# KiCad board afterglow_nano_smd.kicad_pcb
title: afterglow WHITESTAR 2.0; company: morbid cornflakes
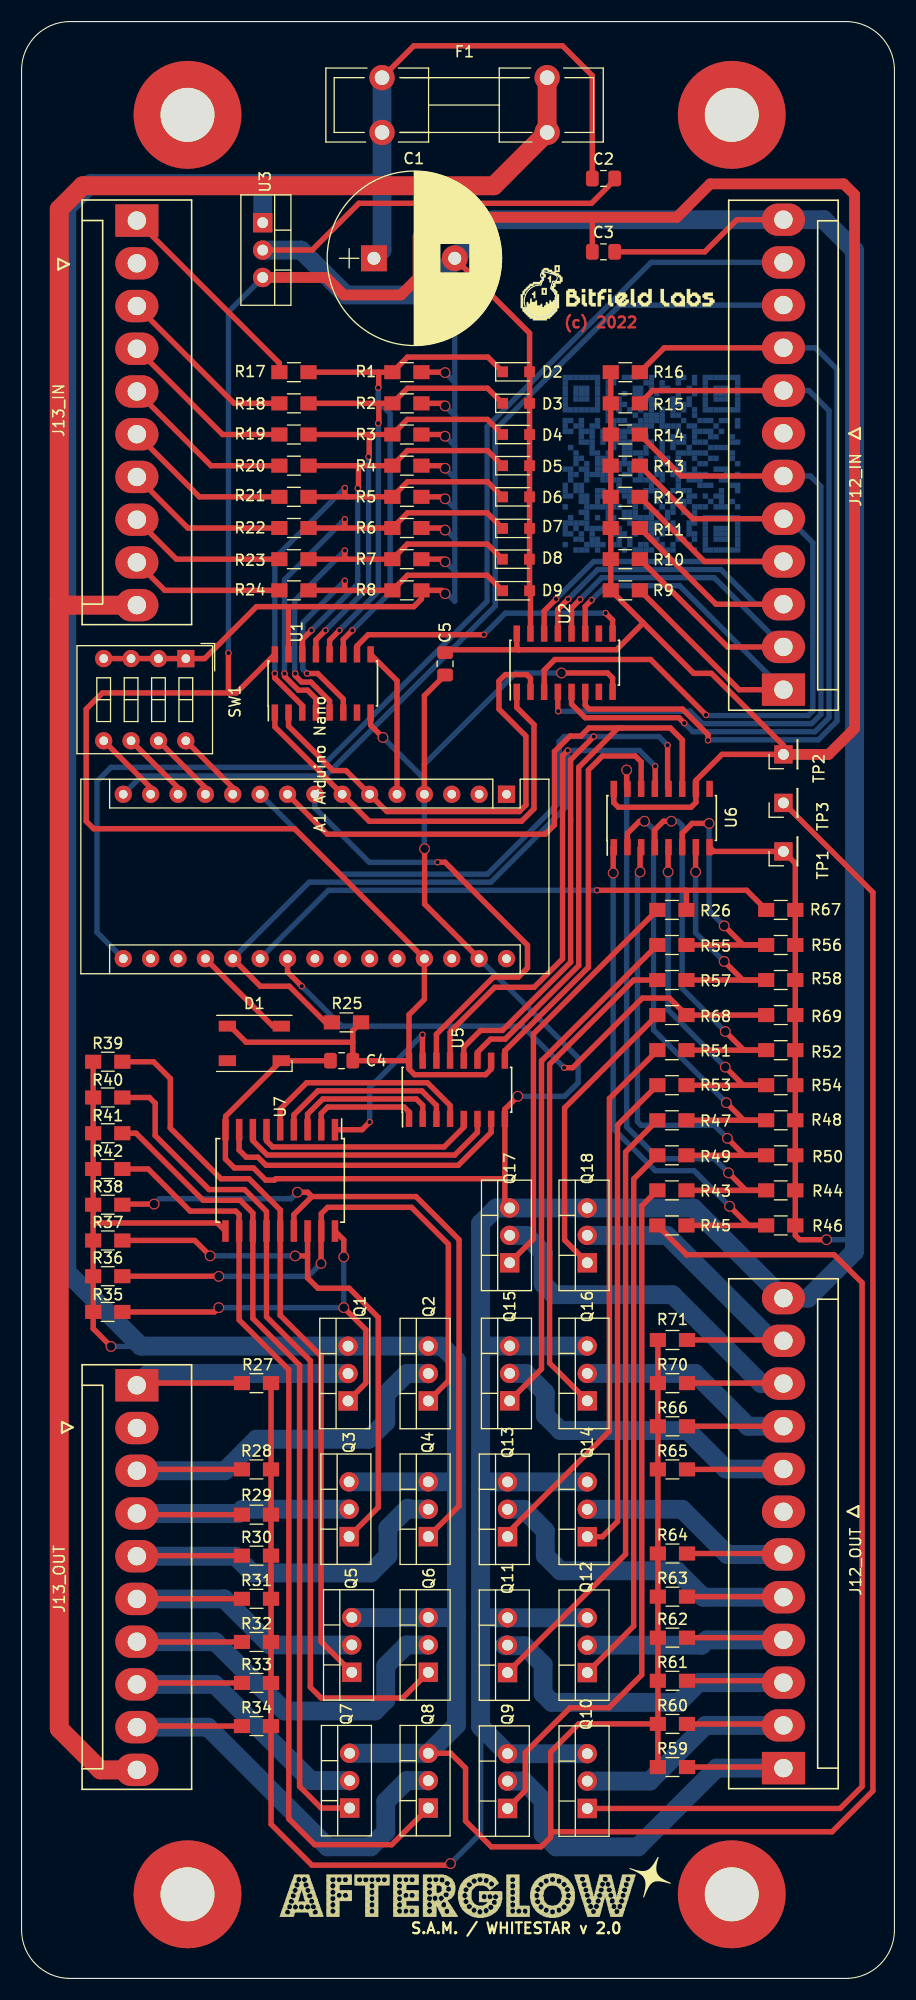
[diagram p0: board, top side]
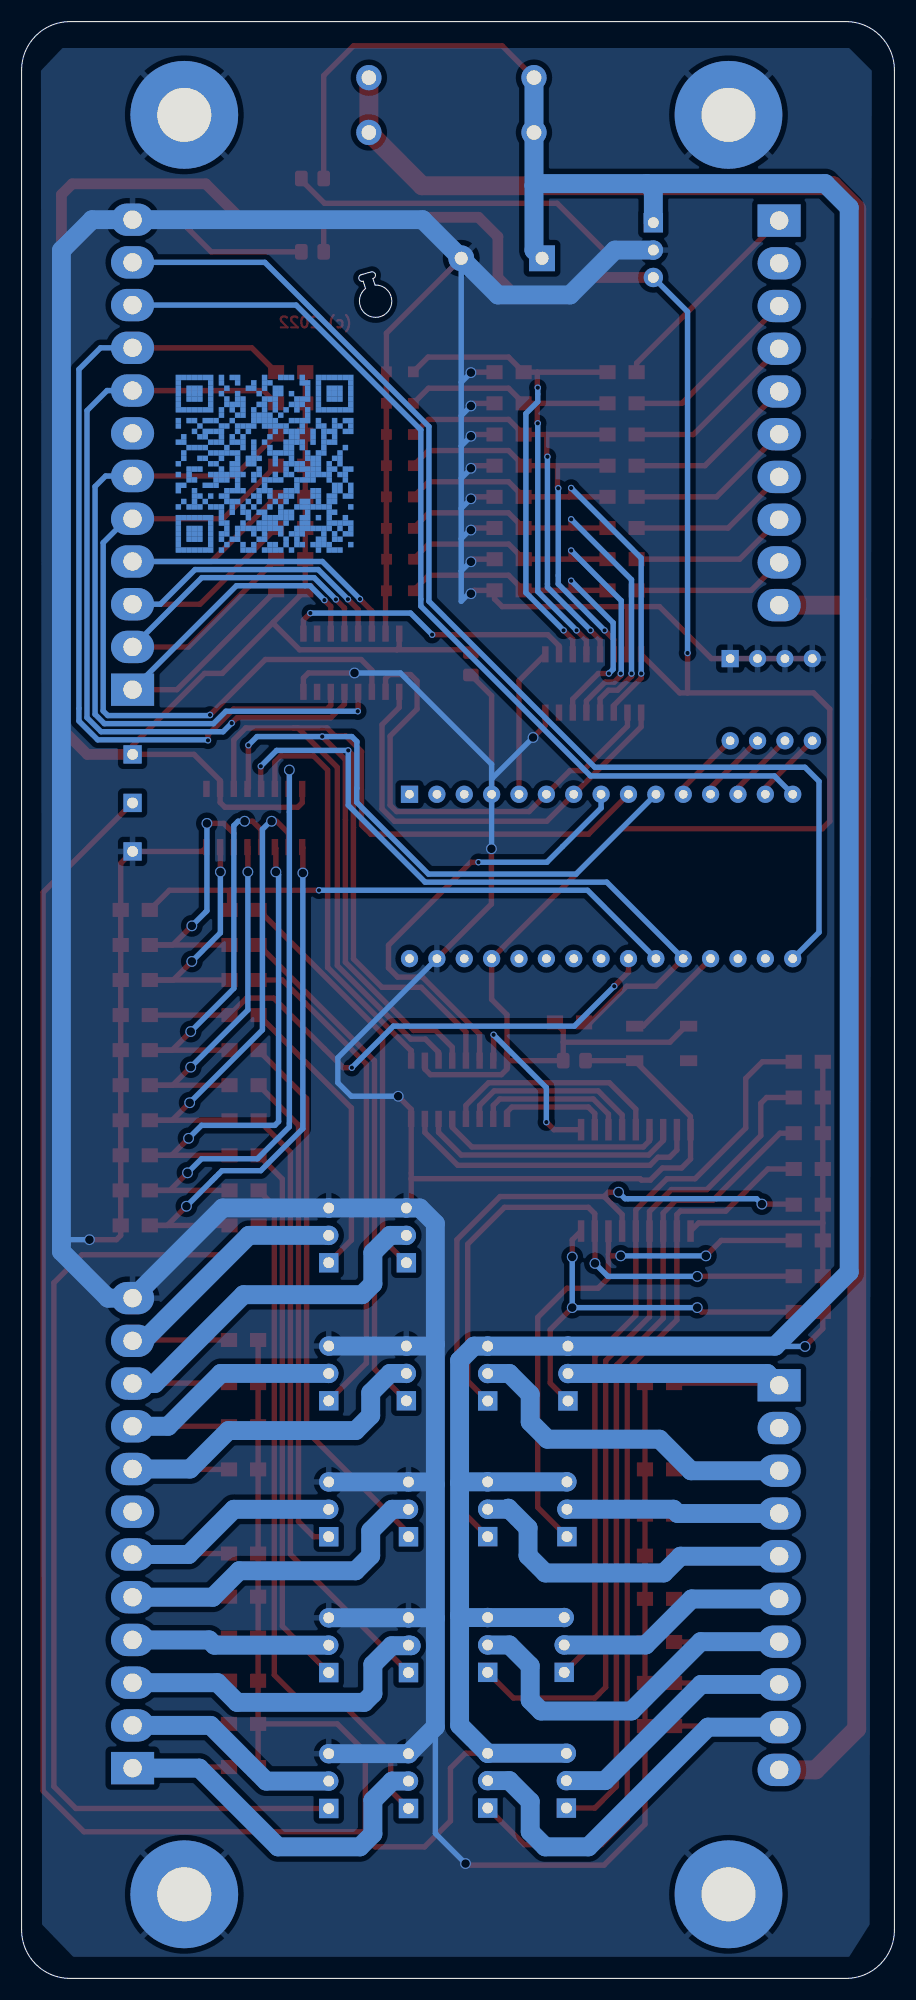
[diagram p1: board, bottom side, seen from below]

Outline 81 x 181.45 mm; copper layers: Top, Bottom. Coordinates in mm from the lower left corner of the outline.
Outline path: 0,176.95 arc(1.32,180.13) 4.5,181.45 76.5,181.45 arc(79.68,180.13) 81,176.95 81,4.5 arc(79.68,1.32) 76.5,0 4.5,0 arc(1.32,1.32) 0,4.5 0,176.95 ; 48.2,157.02 48.4,157.62 arc(48.17,158.02) 48.57,158.23 49.47,157.98 arc(49.7,157.58) 49.3,157.37 49.08,156.7 arc(47.63,154.11) 48.2,157.02

## Placement (name value [footprint] x y rotation side)
A1 Arduino Nano  Arduino_Nano_v3.x  [Arduino_Nano]  45 109.8 270 top
afterglow  -  [afterglow]  23.95 9.73 0 top
C1  1000uF  [CP_Radial_D16.0mm_P7.50mm]  32.7 159.5 0 top
C2  0.33  [C_0805_2012Metric_Pad1.18x1.45mm_HandSolder]  54 166.9 0 top
C3  0.1  [C_0805_2012Metric_Pad1.18x1.45mm_HandSolder]  54 160.1 0 top
C4  0.33  [C_0805_2012Metric_Pad1.18x1.45mm_HandSolder]  29.7 85.1 0 top
C5  0.33  [C_0805_2012Metric_Pad1.18x1.45mm_HandSolder]  39.3 121.9 90 top
D1  WS2812B  [LED_WS2812B-PLCC4]  21.6 86.7 0 top
D2  4.7V  [D_SOD-323_HandSoldering]  45.89 148.97 0 top
D3  4.7V  [D_SOD-323_HandSoldering]  45.89 146.05 0 top
D4  4.7V  [D_SOD-323_HandSoldering]  45.89 143.16 0 top
D5  4.7V  [D_SOD-323_HandSoldering]  45.89 140.27 0 top
D6  4.7V  [D_SOD-323_HandSoldering]  45.89 137.38 0 top
D7  4.7V  [D_SOD-323_HandSoldering]  45.89 134.45 0 top
D8  4.7V  [D_SOD-323_HandSoldering]  45.88 131.6 0 top
D9  4.7V  [D_SOD-323_HandSoldering]  45.89 128.68 0 top
F1  5A SB  [Fuseholder5x20_horiz_open_lateral_Type-II]  33.45 176.25 0 top
G***  LOGO  [bl_logo]  55.3 156.3 0 top
HOLE1  -  [MountingHole_5mm_Pad]  15.4 172.8 0 top
HOLE2  -  [MountingHole_5mm_Pad]  65.9 172.8 0 top
HOLE3  -  [MountingHole_5mm_Pad]  65.9 7.8 0 top
HOLE4  -  [MountingHole_5mm_Pad]  15.4 7.8 0 top
J12_IN  J12_IN_R  [Molex_KK-41791-12_10x3.96mm_Straight]  70.7 119.5 90 top
J12_OUT  J12_OUT_R  [Molex_KK-41791-12_10x3.96mm_Straight]  70.7 19.5 90 top
J13_IN  J13_IN_C  [Molex_KK-41791-10_10x3.96mm_Straight]  10.7 163 270 top
J13_OUT  J13_OUT_C  [Molex_KK-41791-10_10x3.96mm_Straight]  10.7 55 270 top
Q1  FQP11P06  [TO-220_Vertical]  30.3 53.55 90 top
Q2  FQP11P06  [TO-220_Vertical]  37.75 53.55 90 top
Q3  FQP11P06  [TO-220_Vertical]  30.39 40.97 90 top
Q4  FQP11P06  [TO-220_Vertical]  37.75 40.97 90 top
Q5  FQP11P06  [TO-220_Vertical]  30.64 28.38 90 top
Q6  FQP11P06  [TO-220_Vertical]  37.75 28.38 90 top
Q7  FQP11P06  [TO-220_Vertical]  30.45 15.8 90 top
Q8  FQP11P06  [TO-220_Vertical]  37.75 15.8 90 top
Q9  FQP13N06L  [TO-220_Vertical]  45.09 15.76 90 top
Q10  FQP13N06L  [TO-220_Vertical]  52.5 15.76 90 top
Q11  FQP13N06L  [TO-220_Vertical]  45.09 28.36 90 top
Q12  FQP13N06L  [TO-220_Vertical]  52.5 28.36 90 top
Q13  FQP13N06L  [TO-220_Vertical]  45.09 40.96 90 top
Q14  FQP13N06L  [TO-220_Vertical]  52.5 40.96 90 top
Q15  FQP13N06L  [TO-220_Vertical]  45.3 53.56 90 top
Q16  FQP13N06L  [TO-220_Vertical]  52.5 53.56 90 top
Q17  FQP13N06L  [TO-220_Vertical]  45.3 66.36 90 top
Q18  FQP13N06L  [TO-220_Vertical]  52.5 66.36 90 top
QR*****  -  [ag_qr]  58.45 140.45 180 bottom
R1  1k  [R_0805_HandSoldering]  35.76 148.94 0 top
R2  1k  [R_0805_HandSoldering]  35.76 146.05 0 top
R3  1k  [R_0805_HandSoldering]  35.76 143.16 0 top
R4  1k  [R_0805_HandSoldering]  35.76 140.27 0 top
R5  1k  [R_0805_HandSoldering]  35.76 137.38 0 top
R6  1k  [R_0805_HandSoldering]  35.76 134.49 0 top
R7  1k  [R_0805_HandSoldering]  35.75 131.6 0 top
R8  1k  [R_0805_HandSoldering]  35.76 128.71 0 top
R9  1k  [R_0805_HandSoldering]  56.03 128.71 180 top
R10  1k  [R_0805_HandSoldering]  56.03 131.6 180 top
R11  1k  [R_0805_HandSoldering]  56.03 134.49 180 top
R12  1k  [R_0805_HandSoldering]  56.03 137.38 180 top
R13  1k  [R_0805_HandSoldering]  56.03 140.27 180 top
R14  1k  [R_0805_HandSoldering]  56.03 143.16 180 top
R15  1k  [R_0805_HandSoldering]  56.03 146.05 180 top
R16  1k  [R_0805_HandSoldering]  56.03 148.94 180 top
R17  1k  [R_0805_HandSoldering]  25.28 148.94 180 top
R18  1k  [R_0805_HandSoldering]  25.28 146.05 180 top
R19  1k  [R_0805_HandSoldering]  25.28 143.16 180 top
R20  1k  [R_0805_HandSoldering]  25.28 140.27 180 top
R21  1k  [R_0805_HandSoldering]  25.28 137.38 180 top
R22  1k  [R_0805_HandSoldering]  25.28 134.49 180 top
R23  1k  [R_0805_HandSoldering]  25.28 131.6 180 top
R24  1k  [R_0805_HandSoldering]  25.28 128.71 180 top
R25  10k  [R_0805_HandSoldering]  30.15 88.65 180 top
R26  220  [R_0805_HandSoldering]  60.35 99.08 0 top
R27  10k  [R_0805_HandSoldering]  21.8 55.2 180 top
R28  10k  [R_0805_HandSoldering]  21.8 47.2 180 top
R29  10k  [R_0805_HandSoldering]  21.8 43 180 top
R30  10k  [R_0805_HandSoldering]  21.8 39.2 180 top
R31  10k  [R_0805_HandSoldering]  21.8 35.2 180 top
R32  10k  [R_0805_HandSoldering]  21.8 31.2 180 top
R33  10k  [R_0805_HandSoldering]  21.8 27.4 180 top
R34  10k  [R_0805_HandSoldering]  21.8 23.4 180 top
R35  2k  [R_0805_HandSoldering]  8 61.8 0 top
R36  2k  [R_0805_HandSoldering]  8 65.11 0 top
R37  2k  [R_0805_HandSoldering]  8 68.43 0 top
R38  2k  [R_0805_HandSoldering]  8 71.74 0 top
R39  2k  [R_0805_HandSoldering]  8 85 0 top
R40  2k  [R_0805_HandSoldering]  8 81.69 0 top
R41  2k  [R_0805_HandSoldering]  8 78.37 0 top
R42  2k  [R_0805_HandSoldering]  8 75.06 0 top
R43  220  [R_0805_HandSoldering]  60.35 73.07 0 top
R44  10k  [R_0805_HandSoldering]  70.45 73.07 180 top
R45  220  [R_0805_HandSoldering]  60.35 69.82 0 top
R46  10k  [R_0805_HandSoldering]  70.45 69.82 180 top
R47  220  [R_0805_HandSoldering]  60.35 79.57 0 top
R48  10k  [R_0805_HandSoldering]  70.45 79.57 180 top
R49  220  [R_0805_HandSoldering]  60.35 76.32 0 top
R50  10k  [R_0805_HandSoldering]  70.45 76.32 180 top
R51  220  [R_0805_HandSoldering]  60.35 86.08 0 top
R52  10k  [R_0805_HandSoldering]  70.45 86.08 180 top
R53  220  [R_0805_HandSoldering]  60.35 82.82 0 top
R54  10k  [R_0805_HandSoldering]  70.45 82.82 180 top
R55  220  [R_0805_HandSoldering]  60.35 95.83 0 top
R56  10k  [R_0805_HandSoldering]  70.45 95.83 180 top
R57  220  [R_0805_HandSoldering]  60.35 92.58 0 top
R58  10k  [R_0805_HandSoldering]  70.45 92.58 180 top
R59  10k  [R_0805_HandSoldering]  60.4 19.6 180 top
R60  10k  [R_0805_HandSoldering]  60.4 23.6 180 top
R61  10k  [R_0805_HandSoldering]  60.4 27.6 180 top
R62  10k  [R_0805_HandSoldering]  60.4 31.6 180 top
R63  10k  [R_0805_HandSoldering]  60.4 35.4 180 top
R64  10k  [R_0805_HandSoldering]  60.4 39.4 180 top
R65  10k  [R_0805_HandSoldering]  60.4 47.2 180 top
R66  10k  [R_0805_HandSoldering]  60.4 51.2 180 top
R67  10k  [R_0805_HandSoldering]  70.45 99.08 180 top
R68  220  [R_0805_HandSoldering]  60.35 89.33 0 top
R69  10k  [R_0805_HandSoldering]  70.45 89.33 180 top
R70  10k  [R_0805_HandSoldering]  60.4 55.2 180 top
R71  10k  [R_0805_HandSoldering]  60.4 59.2 180 top
STERN  LOGO  [stern]  58.3 9.45 330 top
SW1  CFG  [SW_DIP_x4_W7.62mm_Slide]  15.24 122.38 270 top
TP1  TestPoint  [Pin_Header_Straight_1x01_Pitch2.54mm]  70.7 104.5 90 top
TP2  TestPoint  [Pin_Header_Straight_1x01_Pitch2.54mm]  70.7 113.5 90 top
TP3  TestPoint  [Pin_Header_Straight_1x01_Pitch2.54mm]  70.7 109 90 top
U1  74LS165  [SOIC-16_3.9x9.9mm_Pitch1.27mm]  27.95 120.08 90 top
U2  74LS165  [SOIC-16_3.9x9.9mm_Pitch1.27mm]  50.4 122 90 top
U3  5V_Regulator  [TO-220_Vertical]  22.38 162.8 270 top
U5  74HC595  [SOIC-16_3.9x9.9mm_Pitch1.27mm]  40.4 82.4 90 top
U6  74HC595  [SOIC-16_3.9x9.9mm_Pitch1.27mm]  59.4 107.6 90 top
U7  ULN2803A  [SOIC-18W_7.5x11.6mm_Pitch1.27mm]  24 74 270 top

## Footprints (pads in the part's own frame, mm; a bottom-side part is the same pattern mirrored in y, then rotated)
ag_qr
  rect 0.5x0.5 smd: (-8,-8) (-8,-7.5) (-8,-7) (-8,-6.5) (-8,-6) (-8,-5.5) (-8,-5) (-8,-4) (-8,-2.5) (-8,-2) (-8,-1) (-8,0) (-8,2) (-8,3.5) (-8,4) (-8,5) (-8,5.5) (-8,6) (-8,6.5) (-8,7) (-8,7.5) (-8,8) (-7.5,-8) (-7.5,-5) (-7.5,-3.5) (-7.5,-2) (-7.5,0.5) (-7.5,1) (-7.5,2) (-7.5,2.5) (-7.5,5) (-7.5,8) (-7,-8) (-7,-7) (-7,-6.5) (-7,-6) (-7,-5) (-7,-4) (-7,-1.5) (-7,-1) (-7,-0.5) (-7,1.5) (-7,4) (-7,5) (-7,6) (-7,6.5) (-7,7) (-7,8) (-6.5,-8) (-6.5,-7) (-6.5,-6.5) (-6.5,-6) (-6.5,-5) (-6.5,-4) (-6.5,-3.5) (-6.5,-3) (-6.5,-2.5) (-6.5,-1.5) (-6.5,-0.5) (-6.5,1.5) (-6.5,3) (-6.5,4) (-6.5,5) (-6.5,6) (-6.5,6.5) (-6.5,7) (-6.5,8) (-6,-8) (-6,-7) (-6,-6.5) (-6,-6) (-6,-5) (-6,-4) (-6,-3) (-6,-0.5) (-6,0.5) (-6,1.5) (-6,2.5) (-6,3.5) (-6,5) (-6,6) (-6,6.5) (-6,7) (-6,8) (-5.5,-8) (-5.5,-5) (-5.5,-3.5) (-5.5,-2) (-5.5,0.5) (-5.5,1.5) (-5.5,2.5) (-5.5,3) (-5.5,4) (-5.5,5) (-5.5,8) (-5,-8) (-5,-7.5) (-5,-7) (-5,-6.5) (-5,-6) (-5,-5.5) (-5,-5) (-5,-4) (-5,-3) (-5,-2) (-5,-1) (-5,0) (-5,1) (-5,2) (-5,3) (-5,4) (-5,5) (-5,5.5) (-5,6) (-5,6.5) (-5,7) (-5,7.5) (-5,8) (-4.5,-4) (-4.5,-2) (-4.5,-1.5) (-4.5,-1) (-4.5,0) (-4.5,1) (-4.5,2) (-4.5,3) (-4.5,4) (-4,-8) (-4,-7) (-4,-6.5) (-4,-5.5) (-4,-5) (-4,-4.5) (-4,-4) (-4,-3) (-4,-1.5) (-4,-1) (-4,-0.5) (-4,0.5) (-4,1) (-4,2) (-4,2.5) (-4,3) (-4,3.5) (-4,4.5) (-4,5) (-4,6.5) (-4,7.5) (-4,8) (-3.5,-7.5) (-3.5,-6.5) (-3.5,-6) (-3.5,-5.5) (-3.5,-3.5) (-3.5,-3) (-3.5,-2.5) (-3.5,-1.5) (-3.5,-1) (-3.5,1) (-3.5,1.5) (-3.5,3.5) (-3.5,5.5) (-3.5,6) (-3.5,7) (-3,-7) (-3,-4.5) (-3,-4) (-3,-3.5) (-3,-2.5) (-3,-1) (-3,-0.5) (-3,0) (-3,1) (-3,2) (-3,2.5) (-3,4) (-3,5) (-3,5.5) (-3,8) (-2.5,-7) (-2.5,-6.5) (-2.5,-6) (-2.5,-3.5) (-2.5,-2.5) (-2.5,-2) (-2.5,-1.5) (-2.5,-1) (-2.5,-0.5) (-2.5,0) (-2.5,0.5) (-2.5,1) (-2.5,2) (-2.5,3) (-2.5,3.5) (-2.5,4.5) (-2.5,5.5) (-2.5,6) (-2.5,6.5) (-2.5,7.5) (-2.5,8) (-2,-8) (-2,-7.5) (-2,-6) (-2,-5.5) (-2,-4.5) (-2,-4) (-2,-2.5) (-2,-1) (-2,1.5) (-2,2) (-2,2.5) (-2,3.5) (-2,4.5) (-2,5) (-2,5.5) (-2,6) (-1.5,-8) (-1.5,-6) (-1.5,-5) (-1.5,-4.5) (-1.5,-3.5) (-1.5,0) (-1.5,0.5) (-1.5,3) (-1.5,3.5) (-1.5,7) (-1,-8) (-1,-7.5) (-1,-6.5) (-1,-6) (-1,-4) (-1,-3) (-1,-1.5) (-1,-1) (-1,0) (-1,0.5) (-1,1) (-1,1.5) (-1,2) (-1,3.5) (-1,4) (-1,4.5) (-1,5) (-1,7) (-1,7.5) (-0.5,-7) (-0.5,-6) (-0.5,-5.5) (-0.5,-4.5) (-0.5,-3.5) (-0.5,-3) (-0.5,-2.5) (-0.5,-1) (-0.5,-0.5) (-0.5,0.5) (-0.5,4) (-0.5,4.5) (-0.5,5.5) (-0.5,6.5) (0,-8) (0,-7) (0,-6.5) (0,-6) (0,-5.5) (0,-5) (0,-4.5) (0,-2.5) (0,-2) (0,-1.5) (0,2) (0,3.5) (0,4) (0,4.5) (0,5) (0,5.5) (0,6) (0,7) (0,7.5) (0,8) (0.5,-8) (0.5,-7.5) (0.5,-6) (0.5,-5.5) (0.5,-5) (0.5,-4) (0.5,-3) (0.5,-2.5) (0.5,-1.5) (0.5,1) (0.5,1.5) (0.5,2.5) (0.5,3.5) (0.5,4) (0.5,4.5) (0.5,6) (0.5,7.5) (1,-8) (1,-7.5) (1,-6) (1,-5.5) (1,-5) (1,-3.5) (1,-1.5) (1,-1) (1,0) (1,0.5) (1,1) (1,3) (1,3.5) (1,4) (1,5) (1,5.5) (1,6) (1,6.5) (1,7) (1.5,-8) (1.5,-6.5) (1.5,-6) (1.5,-5) (1.5,-4.5) (1.5,-4) (1.5,-3) (1.5,-1.5) (1.5,1) (1.5,3.5) (1.5,4.5) (1.5,6.5) (1.5,7) (1.5,8) (2,-7.5) (2,-7) (2,-5.5) (2,-5) (2,-4.5) (2,-3.5) (2,-3) (2,-2.5) (2,-1) (2,-0.5) (2,0) (2,1) (2,1.5) (2,2) (2,3) (2,3.5) (2,5) (2,8) (2.5,-8) (2.5,-6.5) (2.5,-5) (2.5,-4.5) (2.5,-3) (2.5,-2.5) (2.5,-1) (2.5,0) (2.5,0.5) (2.5,1) (2.5,1.5) (2.5,2) (2.5,2.5) (2.5,3) (2.5,4) (2.5,5.5) (2.5,6.5) (2.5,8) (3,-7.5) (3,-7) (3,-6.5) (3,-6) (3,-4) (3,-2.5) (3,-2) (3,-1.5) (3,-0.5) (3,0) (3,2) (3,2.5) (3,3) (3,4) (3,5) (3,5.5) (3,6) (3.5,-7.5) (3.5,-6.5) (3.5,-6) (3.5,-5.5) (3.5,-5) (3.5,-4) (3.5,-3.5) (3.5,-1.5) (3.5,-0.5) (3.5,0) (3.5,1.5) (3.5,2) (3.5,3) (3.5,3.5) (3.5,4) (3.5,5.5) (3.5,6) (3.5,7.5) (3.5,8) (4,-6) (4,-5.5) (4,-5) (4,-4.5) (4,-4) (4,-3.5) (4,-1.5) (4,-1) (4,-0.5) (4,0.5) (4,1) (4,4) (4,4.5) (4,5) (4,6) (4,6.5) (4,7) (4,7.5) (4.5,-7.5) (4.5,-6) (4.5,-4) (4.5,-3) (4.5,-2.5) (4.5,-1.5) (4.5,-1) (4.5,-0.5) (4.5,0) (4.5,0.5) (4.5,2) (4.5,2.5) (4.5,3) (5,-8) (5,-7.5) (5,-7) (5,-6) (5,-5) (5,-4) (5,-3.5) (5,-3) (5,-2.5) (5,-1) (5,-0.5) (5,0) (5,0.5) (5,1) (5,3.5) (5,4) (5,5) (5,5.5) (5,6) (5,6.5) (5,7) (5,7.5) (5,8) (5.5,-7.5) (5.5,-7) (5.5,-6.5) (5.5,-6) (5.5,-4) (5.5,-1) (5.5,1) (5.5,1.5) (5.5,2) (5.5,2.5) (5.5,3) (5.5,3.5) (5.5,5) (5.5,8) (6,-8) (6,-7.5) (6,-6) (6,-5.5) (6,-5) (6,-4.5) (6,-4) (6,-3.5) (6,-3) (6,-1.5) (6,-1) (6,-0.5) (6,0) (6,2) (6,3) (6,5) (6,6) (6,6.5) (6,7) (6,8) (6.5,-8) (6.5,-7) (6.5,-6.5) (6.5,-5.5) (6.5,-4.5) (6.5,-3.5) (6.5,-3) (6.5,-2.5) (6.5,-2) (6.5,-0.5) (6.5,0.5) (6.5,2) (6.5,2.5) (6.5,3) (6.5,3.5) (6.5,4) (6.5,5) (6.5,6) (6.5,6.5) (6.5,7) (6.5,8) (7,-8) (7,-7) (7,-6) (7,-5.5) (7,-2.5) (7,-2) (7,-1) (7,0) (7,0.5) (7,1) (7,3.5) (7,5) (7,6) (7,6.5) (7,7) (7,8) (7.5,-6.5) (7.5,-5.5) (7.5,-5) (7.5,-3) (7.5,-1.5) (7.5,-1) (7.5,-0.5) (7.5,1.5) (7.5,3) (7.5,4) (7.5,5) (7.5,8) (8,-7.5) (8,-6.5) (8,-6) (8,-5.5) (8,-4) (8,-3) (8,-2.5) (8,-2) (8,-0.5) (8,3) (8,3.5) (8,4) (8,5) (8,5.5) (8,6) (8,6.5) (8,7) (8,7.5) (8,8)
Arduino_Nano
  rect 1.6x1.6 hole 0.8: 1(0,0)
  oval 1.6x1.6 hole 0.8: 2(0,-2.54) 3(0,-5.08) 4(0,-7.62) 5(0,-10.16) 6(0,-12.7) 7(0,-15.24) 8(0,-17.78) 9(0,-20.32) 10(0,-22.86) 11(0,-25.4) 12(0,-27.94) 13(0,-30.48) 14(0,-33.02) 15(0,-35.56) 16(15.24,-35.56) 17(15.24,-33.02) 18(15.24,-30.48) 19(15.24,-27.94) 20(15.24,-25.4) 21(15.24,-22.86) 22(15.24,-20.32) 23(15.24,-17.78) 24(15.24,-15.24) 25(15.24,-12.7) 26(15.24,-10.16) 27(15.24,-7.62) 28(15.24,-5.08) 29(15.24,-2.54) 30(15.24,0)
C_0805_2012Metric_Pad1.18x1.45mm_HandSolder
  rrect 1.175x1.45 smd: 1(-1.038,0) 2(1.038,0)
CP_Radial_D16.0mm_P7.50mm
  rect 2.4x2.4 hole 1.2: 1(0,0)
  round 2.4 hole 1.2: 2(7.5,0)
D_SOD-323_HandSoldering
  rect 1x1 smd: 1(-1.25,0) 2(1.25,0)
Fuseholder5x20_horiz_open_lateral_Type-II
  round 2.35 hole 1.35: 1(0,0) 1(0,-5.08) 2(15.32,0) 2(15.32,-5.08)
LED_WS2812B-PLCC4
  rect 1.6x1 smd: 1(-2.5,1.6) 2(-2.5,-1.6) 3(2.5,-1.6) 4(2.5,1.6)
Molex_KK-41791-10_10x3.96mm_Straight
  rect 3x4 hole 1.7: 1(0,0)
  oval 3x4 hole 1.7: 2(3.962,0) 3(7.925,0) 4(11.887,0) 5(15.85,0) 6(19.812,0) 7(23.774,0) 8(27.737,0) 9(31.699,0) 10(35.662,0)
Molex_KK-41791-12_10x3.96mm_Straight
  rect 3x4 hole 1.7: 1(0,0)
  oval 3x4 hole 1.7: 2(3.962,0) 3(7.925,0) 4(11.887,0) 5(15.85,0) 6(19.812,0) 7(23.774,0) 8(27.737,0) 9(31.699,0) 10(35.662,0) 11(39.622,0) 12(43.58,0)
MountingHole_5mm_Pad
  round 10 hole 5: 1(0,0)
Pin_Header_Straight_1x01_Pitch2.54mm
  rect 1.7x1.7 hole 1: 1(0,0)
R_0805_HandSoldering
  rect 1.5x1.3 smd: 1(-1.35,0) 2(1.35,0)
SOIC-16_3.9x9.9mm_Pitch1.27mm
  rect 1.5x0.6 smd: 1(-2.7,4.445) 2(-2.7,3.175) 3(-2.7,1.905) 4(-2.7,0.635) 5(-2.7,-0.635) 6(-2.7,-1.905) 7(-2.7,-3.175) 8(-2.7,-4.445) 9(2.7,-4.445) 10(2.7,-3.175) 11(2.7,-1.905) 12(2.7,-0.635) 13(2.7,0.635) 14(2.7,1.905) 15(2.7,3.175) 16(2.7,4.445)
SOIC-18W_7.5x11.6mm_Pitch1.27mm
  rect 2x0.6 smd: 1(-4.7,5.08) 2(-4.7,3.81) 3(-4.7,2.54) 4(-4.7,1.27) 5(-4.7,0) 6(-4.7,-1.27) 7(-4.7,-2.54) 8(-4.7,-3.81) 9(-4.7,-5.08) 10(4.7,-5.08) 11(4.7,-3.81) 12(4.7,-2.54) 13(4.7,-1.27) 14(4.7,0) 15(4.7,1.27) 16(4.7,2.54) 17(4.7,3.81) 18(4.7,5.08)
SW_DIP_x4_W7.62mm_Slide
  rect 1.6x1.6 hole 0.8: 1(0,0)
  oval 1.6x1.6 hole 0.8: 2(0,-2.54) 3(0,-5.08) 4(0,-7.62) 5(7.62,-7.62) 6(7.62,-5.08) 7(7.62,-2.54) 8(7.62,0)
TO-220_Vertical
  rect 1.8x1.8 hole 1: 1(0,0)
  oval 1.8x1.8 hole 1: 2(2.54,0) 3(5.08,0)
